# Altium PCB 28Pins_PCB_V1I1.PcbDoc (continued)
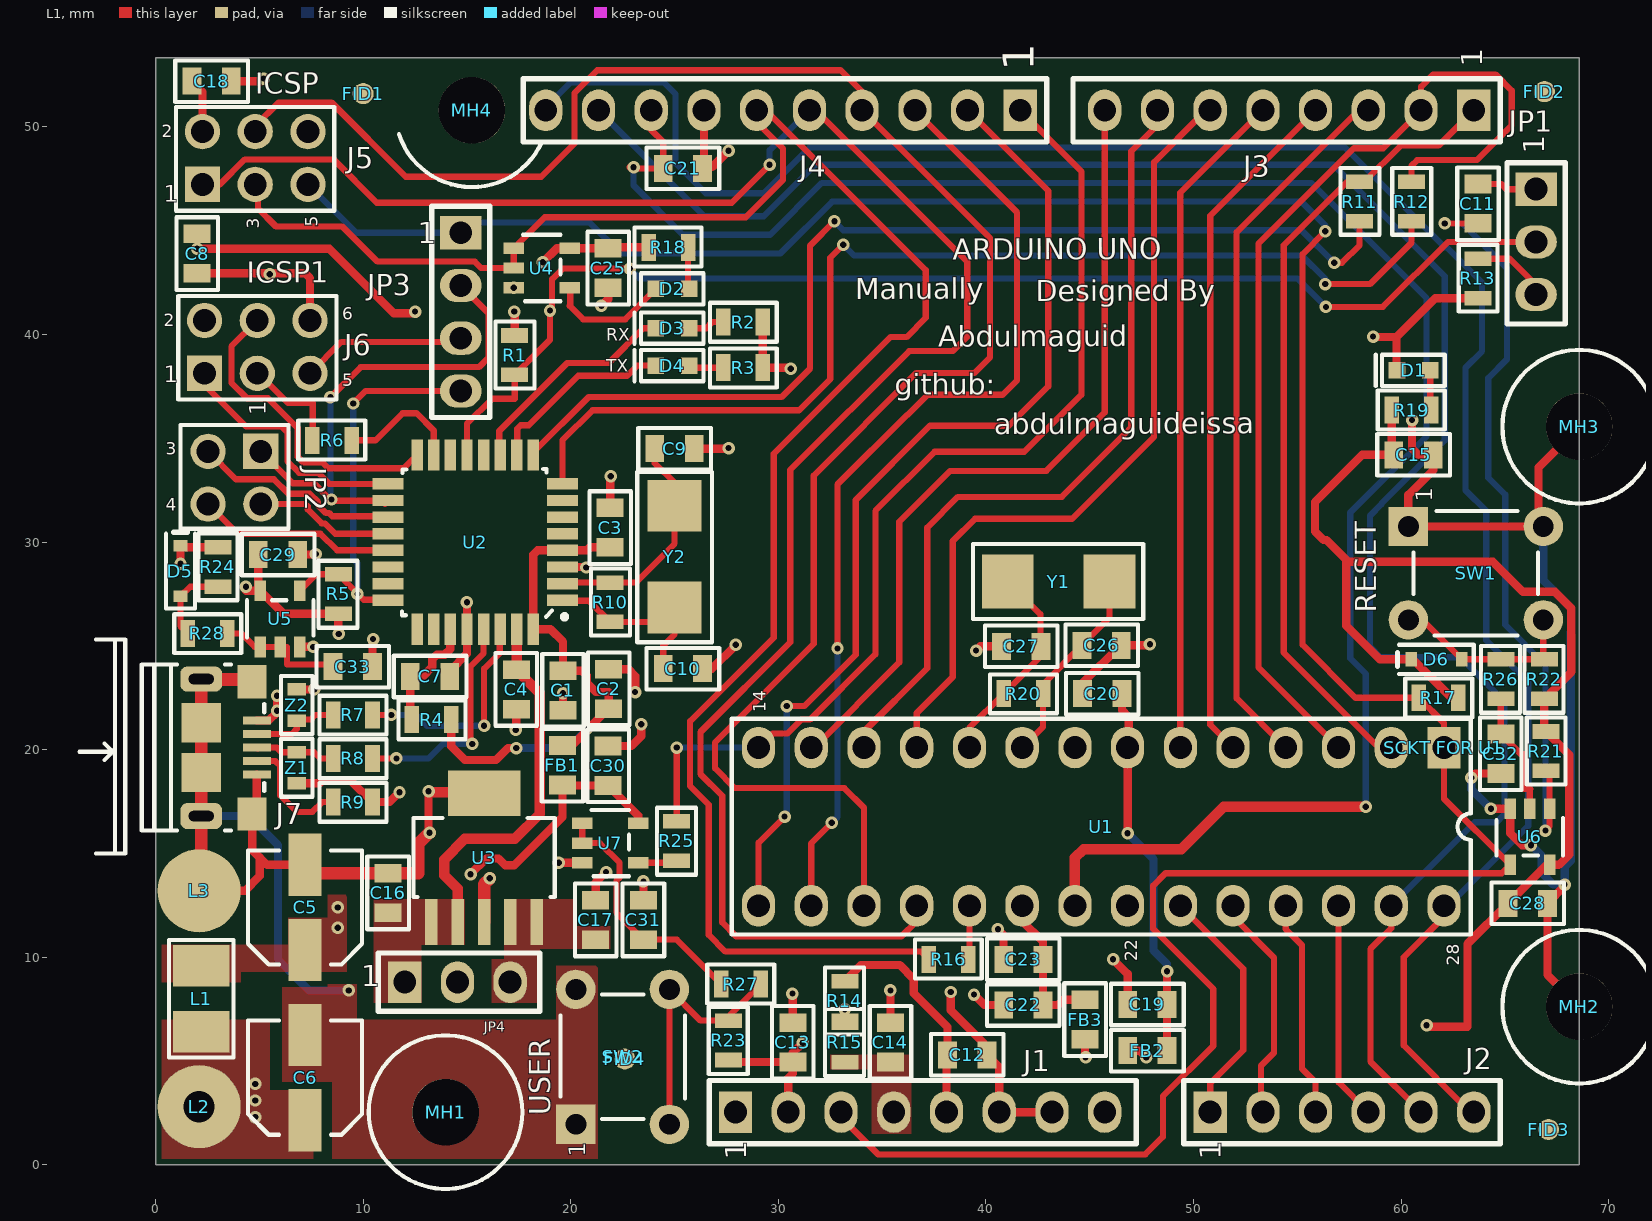
[diagram p0: L1 view]
## Nets (pads, with @x,y where several pads share a name; then routed paths per layer and width w, separated by ;. In a path a pad name is that pad's centre, name@x,y a point inside that pad or via, vN(x,y) a via of type N, cw(c..) or ccw(c..) an arc to the next point about the centre after c; other vN are vias at no path point) (continued)
16U2_SCLK: J6.3 R6.2 | length 5.1
  L1 w0.3: J6.3 4.945,38.13 6.375,36.7 7.575,36.7 7.575,34.925 R6.2
16U2_SCLK_R: R6.1 U2.15 | length 6
  L1 w0.3: R6.1 10.6,34.9 11.9,36.2 12.575,36.2 13.4,35.375 U2.15
16U2_TXD: R11.1 U2.9 | length 50.3
  L1 w0.3: U2.9 18.2,34.325 20.862,36.988 30.157,36.988 31.525,38.356 31.525,44.275 v1(32.7,45.45) ; v1(56.775,43.45) 57.15,43.45 58,44.3 R11.1
  L2 w0.3: v1(32.7,45.45) 33.125,45.025 55.2,45.025 v1(56.775,43.45)
16U2_TXD_LED: D3.1 U2.11 | length 10.8
  L1 w0.3: U2.11 16.55,34.25 16.55,35.35 19.825,38.625 21.825,38.625 23.5,40.3 D3.1
16U2PROG_328P_RESETN: JP1.2 R1.1 U2.13 | length 60.5
  L1 w0.3: U2.13 15,35.7 16.207,36.907 17.3,36.907 R1.1 19,39.75 v1(19,41.15) 19.1,41.25 19.1,42.67 19.605,43.175 v1(22.85,43.175) ; v1(56.375,41.325) 59.125,41.325 62.26,44.46 JP1.2
  L2 w0.3: v1(22.85,43.175) 23.325,42.7 55,42.7 v1(56.375,41.325)
328P_16MHZ_XTAL1: C26.2 R20.2 U1.9 Y1.2 | length 9.7
  L1 w0.3: U1.9 42.75,21.105 R20.2 42.75,23.15 C26.2 45.95,26.35 Y1.2
328P_16MHZ_XTAL2: C27.2 R20.1 U1.10 Y1.1 | length 10.4
  L1 w0.3: U1.10 39.205,21.055 R20.1 42.65,24.5 C27.2@42.65,24.7 ; Y1.1 42.625,26.525 42.625,24.725 C27.2@42.65,24.7 ; C27.2 C27.2@42.65,24.7
328P_AUTORESETN: C11.2 R21.1 U6.1 | length 37.1
  L1 w0.3: v1(62.1,45.35) C11.2 ; v1(66.95,16.1) 67.15,16.3 U6.1 67.15,18.8 R21.1
  L2 w0.3: v1(62.1,45.35) 62.95,45.35 65.1,43.2 65.1,38.8 64.2,37.9 64.2,33.1 65.012,32.287 65.012,26.013 66.95,24.075 v1(66.95,16.1)
328P_BUF_RESETN: C32.2 R26.2 U6.2 | length 6.2
  L1 w0.3: R26.2 C32.2 65.775,19.775 65.925,19.775 65.925,18.1 66.225,18.1 66.2,18.075 U6.2
328P_RESETN: J1.3 J5.5 JP3.1 R17.1 U1.1 U6.4 | length 138.3
  L1 w0.3: J1.3 33.02,2.28 34.8,0.5 47.675,0.5 48.525,1.35 48.525,3.3 50.95,5.725 50.95,8.475 48.05,11.375 48.05,13.45 48.65,14.05 64.85,14.05 U6.4 62.065,17.635 U1.1 62.065,21.285 R17.1 57.8,22.5 55.25,25.05 55.25,43.875 v1(56.35,44.975)
  L2 w0.3: J5.5 9.67,44.9 JP3.1 15.2,45.4 20.9,45.4 22.4,43.9 30.1,43.9 32.6,46.4 55.2,46.4 56.35,45.25 v1(56.35,44.975)
+3.3V: C14.2 C17.2 J1.4 JP4.3 R15.2 U3.4 U3.5
+3.3V_16U2_UCAP: C7.2 R4.1 U2.27 | length 5.7
  L1 w0.4: R4.1 12.275,21.525 C7.2 12.875,23.525 13.325,23.975 13.325,24.341 13.559,24.575 13.925,24.575 14.2,24.85 U2.27
+5V: C4.2 C6.1 C12.1 C16.2 J1.5 JP4.1 L1.2 L2.1 R14.1 U2.31 U3.1 U3.2 | length 29.3
  L1 w0.4: R14.1 33.975,9.625 35.85,9.625 36.52,8.955 36.52,8.27 38.15,6.64 C12.1 38.1,5.25 J1.5
  L1 w0.5: U3.2@14.555,11.6 U3.2 14.555,13.3 13.9,13.955 13.9,14.7 14.9,15.7 17.3,15.7 18.5,16.9 18.5,22.725 C4.2 17.4,23.875 U2.31
  other v1: 4.8,2.3 4.8,3.1 4.8,3.9
+5V/3.3_328P_AVCC: C22.2 C23.2 FB3.2 U1.20 | length 7.3
  L1 w0.4: U1.20 41.745,11.755 42.75,10.75 C23.2 C22.2 43.475,7.7 43.725,7.95 FB3.2
+5V/3.3_328P_VCC: C19.2 C20.2 FB2.2 U1.7 | length 18.1
  L1 w0.4: C20.2 46.55,21.9 46.875,21.575 46.875,20.15 U1.7 v1(46.825,15.975) ; FB2.2 C19.2 v1(48.725,9.325)
  L2 w0.4: v1(46.825,15.975) 48.075,14.725 48.075,10.325 48.725,9.675 v1(48.725,9.325)
+5V/3.3V: C8.2 C13.2 C15.2 C18.2 C25.2 C28.2 C29.2 C30.2 D5.1 D6.1 FB1.1 FB2.1 FB3.1 J1.2 J5.2 J6.2 JP4.2 R1.2 R2.2 R3.2 R5.2 R14.2 R15.1 R17.2 R18.2 R19.2 R21.2 R22.2 R23.2 R24.2 U4.5 U5.5 U6.5 U7.5 | length 114.4
  L1 w0.4: v1(1.2,28.95) D5.1 1.269,29.75 R24.2 ; C18.2 2.26,51.69 J5.2 ; v1(2,44.125) 8.375,44.125 11.48,41.02 12.58,41.02 v1(12.5,41.1) ; v1(4.35,27.85) 4.35,27.675 4.375,27.65 U5.5 ; C29.2 4.95,27.75 U5.5 ; v1(8.825,25.575) 8.8,25.6 R5.2 6.15,26.55 U5.5 ; v1(15.175,14) 15.935,14.76 16.515,14.76 16.85,14.425 17.275,14.425 19.6,16.75 FB1.1 19.625,18.275 C30.2 23.25,16.825 U7.5 ; v1(17.275,41.1) 17.3,41.075 R1.2 ; v1(18.65,43.475) 19.325,44.15 U4.5 C25.2 21.85,44.2 R18.2 ; R23.2 27.7,4.95 C13.2 ; R2.2 R3.2 30.55,38.4 v1(30.6,38.35) ; J1.2 30.48,4.18 30.7,4.4 C13.2 ; v1(31.175,5.875) 30.7,5.4 C13.2 ; R14.2 v1(33.2,7.5) ; v1@44.775,5.175 FB3.1 ; v1@44.788,5.188 v1(44.8,5.175) ; FB2.1 47.4,5.5 v1(47.725,5.175) ; R19.2 59.55,34.3 C15.2 58.125,34.2 55.85,31.925 55.85,30.51 56.26,30.1 56.401,30.1 57.35,29.151 57.35,29.075 ; v1(61.225,6.725) 61.3,6.65 63.2,6.65 63.2,10.65 C28.2 67,14.45 U6.5 67.6,14.45 68.1,14.95 68.1,19.75 R21.2 66.9,20.95 R22.2 68.2,23.75 68.2,26.809 67.409,27.6 65.875,27.6 64.425,29.05 57.375,29.05 57.35,29.075 ; R17.2 62.416,22.5 60.566,24.35 D6.1 58.975,24.35 57.35,25.975 57.35,29.075
+5V/3.3V_16U2: C1.2 C2.2 C3.2 FB1.2 R4.2 U2.4 U2.32 | length 25.8
  L1 w0.4: R4.2 14.25,20.15 14.9,19.5 16.4,19.5 16.975,20.075 v1(17.375,20.075) ; FB1.2 20.05,20.2 C2.2 21.825,22.775 21.209,22.775 20.775,23.209 20.775,23.575 20.55,23.8 C1.2 19.625,25.2 19.025,25.8 U2.32 18.2,29.4 18.4,29.6 U2.4 20.775,29.6 20.925,29.75 C3.2
  L2 w0.4: v1(17.375,20.075) 19.875,20.075 20.775,20.975 v1(20.775,21)
+5V_USB: C5.1 J7.1 L1.1 | length 1.9
  L1 w0.4: J7.1 5.45,21.4 5.85,21.8 v1(5.85,21.875) v1(5.85,22.6)
  other v1: 8.775,11.425 8.775,12.4
AD0: J2.1 U1.23 | length 11.9
  L1 w0.3: U1.23 52.4,9.445 52.4,5.525 50.8,3.925 J2.1
AD1: J2.2 U1.24 | length 11.1
  L1 w0.3: U1.24 51.905,11.945 53.875,9.975 53.875,5.4 53.25,4.775 53.25,2.63 J2.2
AD2: J2.3 U1.25 | length 10.5
  L1 w0.3: U1.25 54.445,11.355 55.225,10.575 55.225,4.625 55.88,3.97 J2.3
AD3: J2.4 U1.26 | length 10.5
  L1 w0.3: U1.26 56.985,3.975 J2.4
AD4/SDA: J2.5 J4.9 U1.27 | length 97.1
  L1 w0.3: U1.27 59.525,11.4 58.525,10.4 58.525,4.975 J2.5
  L2 w0.3: J4.9 26.436,45.7 29.3,45.7 31.775,48.175 56.725,48.175 62.1,42.8 62.1,34.895 59.05,31.845 59.05,31.825 58.5,31.275 58.5,24.95 59,24.45 62.85,24.45 64.975,22.325 64.975,16.881 64.594,16.5 63.545,16.5 U1.27
AD5/SCL: J2.6 J4.10 U1.28 | length 99.2
  L1 w0.3: U1.28 62.065,11.94 60.125,10 60.125,5.75 63.335,2.54 J2.6
  L2 w0.3: J4.10 18.796,50.946 20,52.15 24.475,52.15 25.05,51.575 25.05,48.25 26.5,46.8 29.293,46.8 31.168,48.675 31.179,48.675 31.504,49 57.3,49 62.1,44.2 62.2,44.2 63.9,42.5 63.9,39.2 63.1,38.4 63.1,32.5 64.1,31.5 64.1,25.275 66.125,23.25 66.125,16.325 62.28,12.48 U1.28
AREF: C21.2 J4.8 U1.21 | length 92
  L1 w0.3: v1(23.025,48.05) 22.825,48.05 22.875,48 C21.2 24.45,49.275 23.876,49.849 J4.8
  L1 w0.5: U1.21 44.285,14.785 44.7,15.2 49.4,15.2 51.45,17.25 v1(58.3,17.25)
  L2 w0.3: v1(23.025,48.05) 23.025,47.175 25.4,44.8 29.6,44.8 32.1,47.3 55.675,47.3 61.225,41.75 61.225,35.1 57.55,31.425 57.55,24.4 58.3,23.65 v1(58.3,17.25)
BUTTON_RESETN: D6.2 R22.1 R26.1 SW1.3 SW1.4 | length 9.2
  L1 w0.3: SW1.3 61.019,26.25 D6.2 R26.1 66.8,24.35 66.85,24.4 SW1.4
CON_USB_N: J7.2 R7.1 Z2.2 | length 4.3
  L1 w0.3: J7.2 6.55,20.75 6.8,21 Z2.2 6.85,21.45 7.475,21.45 7.7,21.675 R7.1
CON_USB_P: J7.3 R8.1 Z1.2 | length 4
  L1 w0.3: J7.3@4.924,20.05 J7.3 5.832,20.1 6.057,19.875 Z1.2 7.625,19.875 7.925,19.575 R8.1
GND: C1.1 C2.1 C3.1 C4.1 C5.2 C6.2 C7.1 C8.1 C9.1 C10.1 C12.2 C13.1 C14.1 C15.1 C16.1 C17.1 C18.1 C19.1 C20.1 C21.1 C22.1 C23.1 C25.1 C26.1 C27.1 C28.1 C29.1 C30.1 C31.1 C32.1 C33.1 D1.1 J1.6 J1.7 J4.7 J5.6 J6.6 J7.5 J7.6 J7.7 J7.8 J7.9 J7.10 J7.11 L3.1 MH1.1 MH2.1 MH3.1 R9.2 R13.1 SW1.1 SW1.2 SW2.1 SW2.2 U1.8 U1.22 U2.3 U2.28 U3.3 U3.6 U4.3 U5.3 U6.3 U7.3 Z1.1 Z2.1 | length 187.5
  L1 w0.4: C8.1 7.2,42.95 7.44,42.71 J6.6 ; L3.1 4.3,13.2 5.012,13.912 5.012,14.813 ; J7.8@2.2,23.15 2.325,23.275 J7.6 ; C18.1 5.075,52.2 v1(5.2,52.325) ; J7.5 4.875,17.125 J7.7 4.65,15.175 5.012,14.813 ; Z1.1 7.884,18.375 8.034,18.525 9.4,18.525 R9.2 11.275,17.475 v1(11.75,17.95) ; Z2.1 v1(7.65,22.9) ; C29.1 7.7,29.4 v1(7.725,29.425) ; U5.3 v1(7.6,24.95) ; C5.2 5.375,14.45 5.012,14.813 ; C33.1 10.45,25.3 v1(10.475,25.325) ; v1(13.2,16) 13.15,16.05 v1(13.15,18) ; C7.1 14.175,23.8 15,24.625 U2.28 v1(15,27.1) ; v1(17.35,20.95) 17.375,20.975 C4.1 ; v1(19.425,14.55) U7.3 ; U2.3 20.725,28.8 v1(20.75,28.775) ; C1.1 v1(19.625,22.725) ; C17.1 21.2,13.6 v1(21.7,14.1) ; v1(21.475,41.375) 21.8,41.7 C25.1 ; C30.1 22.925,20.175 23.4,20.65 v1(23.4,21.225) ; C2.1 22.775,23.875 23.1,23.55 v1(23.1,22.775) ; C3.1 21.9,33.15 v1(21.925,33.175) ; C31.1 v1(23.5,13.65) ; C9.1 27.575,34.5 v1(27.6,34.525) ; C10.1 26.8,23.9 v1(27.95,25.05) ; J4.7 26.416,48.066 26.816,48.066 v1(27.6,48.85) ; v1(30.675,8.25) 30.7,8.225 C13.1 ; C14.1 v1(35.4,8.4) ; v1(38.3,8.325) 38.3,7.45 40.05,5.7 C12.2 40.64,4.71 J1.6 J1.7 ; v1(39.425,8.2) 39.925,7.7 C22.1 ; v1(39.525,24.775) 39.725,24.975 C27.1 ; v1(40.575,11.35) 40.85,11.075 C23.1 ; C20.1 44.65,23.2 46.475,25.025 C26.1 47.85,25.025 v1(47.9,25.075) ; v1(46.125,9.9) 46.825,9.2 C19.1 ; v1(58.65,39.9) 58.675,39.875 59.775,39.875 ; D1.1 59.775,38.3 59.775,39.875 ; v1(60.525,35.875) 60.525,34.5 60.825,34.2 C15.1 61.55,33.475 60.35,32.275 SW1.1 SW1.2 66.85,30.975 66.62,31.205 66.62,33.6 MH3.1 ; v1(63.375,18.65) 63.575,18.85 C32.1 ; R13.1 61.65,41.75 59.775,39.875 ; v1(64.325,17.15) 64.275,17.15 U6.3 65.25,15.975 65.825,15.4 v1(66.25,15.4) ; v1(67.875,13.5) 67.875,13.425 C28.1 67.05,9.15 MH2.1 ; v1(13.15,18) 13.25,17.9 U3.6 15.725,18 v1(13.15,18)
  L1 w0.6: L3.1 2.2,13.299 J7.9 J7.11 J7.10 2.2,23.15 J7.8 4.524,23.4 J7.6 ; C5.2 7.6,14.05 C16.1 12.65,14.05 12.65,15.45 v1(13.2,16) ; U3.3 15.825,13.525 v1(16.1,13.8)
  L2 w0.4: J7.9 4.5,16.8 5.9,15.4 5.9,9.9 7.4,8.4 v1(9.3,8.4) ; SW2.1@19.675,2.525 SW2.1 ; v1(63.375,18.65) 63.375,18.1 v1(64.325,17.15) ; v1(66.25,15.4) 66.775,14.875 66.775,14.05 67.325,13.5 v1(67.875,13.5) 67.875,14.35 68.175,14.65 68.175,25.641 68.2,25.666 68.2,26.809 66.85,28.159 SW1.2 ; MH2.1@67.875,8.325 MH2.1
  other v1: 17.25,42.25 5.5,42.9
IO0: J3.1 R11.2 U1.2 | length 38.5
  L1 w0.3: U1.2 58.925,20.1 54.35,24.675 54.35,44.3 57.4,47.35 R11.2 58.225,47.35 59.975,49.1 61.8,49.1 J3.1
IO1: J3.2 R12.2 U1.3 | length 50.5
  L1 w0.3: U1.3 53.125,23.96 53.125,44.375 57.725,48.975 59.135,48.975 J3.2 60.96,51.935 61.55,52.525 64.55,52.525 65.325,51.75 65.325,50.075 63.65,48.4 60.775,48.4 60.5,48.125 R12.2
IO2: J3.3 U1.4 | length 34.6
  L1 w0.3: U1.4 52.075,22.47 52.075,44.925 57.95,50.8 J3.3
IO3: J3.4 U1.5 | length 33.3
  L1 w0.3: U1.5 50.8,21.205 50.8,45.72 J3.4
IO4: J3.5 U1.6 | length 32.3
  L1 w0.3: U1.6 49.365,46.825 J3.5
IO5: J3.6 U1.11 | length 39.6
  L1 w0.3: U1.11 36.665,21.765 38.4,23.5 38.4,30.05 39.475,31.125 44.15,31.125 48.1,35.075 48.1,48.3 50.3,50.5 50.8,50.5 J3.6
IO6: J3.7 U1.12 | length 39.5
  L1 w0.3: U1.12 34.125,20.875 37.175,23.925 37.175,30.7 38.65,32.175 43.65,32.175 47,35.525 47,48.825 48.26,50.085 J3.7
IO7: J3.8 U1.13 | length 39.3
  L1 w0.3: U1.13 31.725,20.1 35.825,24.2 35.825,30.975 38.275,33.425 42.9,33.425 45.72,36.245 J3.8
IO8: J4.1 R25.1 U1.14 | length 49.1
  L1 w0.3: R25.1 v1(25.1,20.1) ; U1.14 29.721,20.776 30.435,20.776 31.109,21.45 31.525,21.45 34.675,24.6 34.675,31.5 37.525,34.35 41.85,34.35 44.6,37.1 44.6,47.856 J4.1
  L2 w0.3: v1(25.1,20.1) U1.14
IO9: J4.2 U1.15 | length 48.4
  L1 w0.3: U1.15 29.045,15.52 v1(30.3,16.775) ; v1(30.4,22.1) 31.25,22.1 33.725,24.575 33.725,32.025 37.3,35.6 41.1,35.6 43,37.5 43,46.916 J4.2
  L2 w0.3: v1(30.3,16.775) 30.4,16.875 v1(30.4,22.1)
MISO: J4.5 J5.1 U1.18 | length 93
  L1 w0.3: J5.1 3.103,47.23 4.303,48.43 8.57,48.43 10.65,46.35 27.75,46.35 v1(29.575,48.175) ; J4.5 31.8,50.8 39.1,43.5 39.1,39.9 38.4,39.2 36.3,39.2 30.575,33.475 30.575,25.175 26.25,20.85 26.25,18.825 27.3,17.775 27.3,11.675 27.975,11 35.925,11 36.665,11.74 U1.18
  L2 w0.3: v1(29.575,48.175) 29.575,48.879 J4.5
MOSI: J4.4 J5.4 U1.17 | length 90.4
  L1 w0.3: J5.4 4.8,50.05 5.925,51.175 8.475,51.175 12.05,47.6 18.575,47.6 20.186,49.211 20.186,51.636 21.275,52.725 33,52.725 34.036,51.689 J4.4 40.2,44.636 40.2,38.9 39.45,38.15 36.65,38.15 31.7,33.2 31.7,25.1 26.95,20.35 26.95,19.1 27.9,18.15 33.175,18.15 34.125,17.2 U1.17
NetC11_1: C11.1 JP1.1 | length 2.9
  L1 w0.3: C11.1 64.825,47.25 65.075,47 JP1.1
NetD1_2: D1.2 R19.1 | length 1.9
  L1 w0.3: D1.2 61.4,36.4 R19.1
NetD2_1: D2.1 U4.4 | length 5.9
  L1 w0.3: U4.4 19.975,42.225 19.975,41.418 19.95,41.393 19.95,41.375 20.6,40.725 22.625,40.725 D2.1
NetD2_2: D2.2 R18.1 | length 2
  L1 w0.3: R18.1 25.65,42.25 D2.2
NetD3_2: D3.2 R2.1 | length 1.8
  L1 w0.3: D3.2 26.525,40.3 26.825,40.6 R2.1
NetD4_2: D4.2 R3.1 | length 1.7
  L1 w0.3: D4.2 25.8,38.4 R3.1
NetD5_2: D5.2 R24.1 R28.1 | length 3.9
  L1 w0.3: R28.1 1.2,25.95 D5.2 1.669,27.85 R24.1
NetD6_2: 
NetJ7_4: J7.4 R9.1 | length 5.7
  L1 w0.3: J7.4 5.775,19.45 6,19.225 6,17.8 6.8,17 7.55,17 8.025,17.475 R9.1
NetJP1_3: JP1.3 R13.2 | length 3.8
  L1 w0.3: R13.2 65.225,43.65 66.5,42.375 JP1.3
NetR25_2: R25.2 U7.4 | length 1.9
  L1 w0.3: U7.4 25,14.55 R25.2
SCK: J4.6 J5.3 R16.2 U4.1 U4.2 | length 93.9
  L1 w0.3: J5.3 4.93,47.1 4.93,46.07 5.8,45.2 9,45.2 10.69,43.51 15.376,43.51 15.686,43.2 U4.2 U4.1 18.75,45.65 28.425,45.65 30.225,47.45 30.225,48.95 28.956,50.219 J4.6 29.4,50.8 37.1,43.1 37.1,40.8 36.175,39.875 35.4,39.875 29.775,34.25 29.775,25.389 25.75,21.364 25.75,18.243 26.65,17.343 26.65,11.075 27.45,10.275 36.875,10.275 R16.2
SCK_R: R16.1 U1.19 | length 2.6
  L1 w0.3: R16.1 39.205,9.955 U1.19
SS: J4.3 U1.16 | length 46.6
  L1 w0.3: U1.16 31.585,15.485 v1(32.575,16.475) ; v1(32.85,24.875) 32.85,32.775 36.2,36.125 36.225,36.125 37.2,37.1 40.8,37.1 41.5,37.8 41.5,45.876 J4.3
  L2 w0.3: v1(32.575,16.475) 32.85,16.75 v1(32.85,24.875)
USB_N: R7.2 U2.30 | length 10.6
  L1 w0.3: R7.2 v1(11.35,21.675) ; v1(15.825,21.15) 15.825,23.9 16.575,24.65 16.575,25.775 U2.30
  L2 w0.3: v1(11.35,21.675) 12.55,21.675 13.075,21.15 v1(15.825,21.15)
USB_P: R8.2 U2.29 | length 10.9
  L1 w0.3: R8.2 v1(11.6,19.575) ; v1(15.25,20.275) 15.175,20.35 15.175,24.022 15.8,24.647 U2.29
  L2 w0.3: v1(11.6,19.575) 13.15,19.575 13.85,20.275 v1(15.25,20.275)
USER_BUTTON: R23.1 R27.1 SW2.3 SW2.4 | length 12.4
  L1 w0.3: SW2.3 SW2.4 26.25,6.95 R23.1 27.6,7.15 R27.1
USER_BUTTON_BUF: C31.2 R27.2 U7.1 U7.2 | length 12.1
  L1 w0.3: U7.1 U7.2 21.4,15.5 22.35,14.55 22.35,13.831 22.2,13.681 22.2,12.15 C31.2 25.1,10.85 R27.2
pads on no net: FID1.1 FID2.1 FID3.1 FID4.1 J1.1 J1.8 MH4.1 U2.5 U2.6 U2.7 U2.12 U2.14 U2.22 U2.23 U2.25 U2.26

## Polygon pours and split planes (outlines as drawn)
+5V on L2 "L2-No Net" (solid, remove dead copper, pour order 0): 0.3,0.3 0.3,4.7 8.7,4.7 8.8,4.8 11.2,7.2 11.2,9.8 12.8,9.8 12.8,8.8 12.8,7.5 19.2,7.5 20.6,6.1 23.5,3.4 24.7,3.4 26.5,3.4 26.5,0.9 28.3,0.9 31.5,0.9 37.1,0.9 37.1,3.8 39.2,3.8 39.2,0.3
+3.3V on L2 "L2-No Net" (solid, remove dead copper, pour order 4): 16,10 16,8 18.9,8 19,7.9 19.4,7.9 23.5,4 34.4,4 34.4,1.2 36.7,1.2 36.7,3.8 36.7,5.3 30.2,5.3 25.2,10.3 23.5,12 20.6,12 17.3,12 17.1,11.8 16,10.7 16,9.9
+5V/3.3V on L2 "L2-No Net" (solid, remove dead copper, pour order 10): 0.3,5.1 8.5,5.1 10.7,7.3 10.7,9.9 10.7,10.1 13.1,10.1 13.1,7.9 13,7.8 15.7,7.8 15.7,10.8 17.2,12.3 23.8,12.3 26.1,10 30.5,5.6 37.3,5.6 37.3,4.1 48.2,4.1 64,4.1 64,7.8 63,7.8 62,7.8 32.6,7.8 30.4,7.8 28.5,9.7 25,13.2 15.5,13.2 15.5,14.9 11.3,14.9 11.3,12.1 9.8,10.6 7.5,10.6 7.5,16.4 4.3,20.233 4.3,53 0.3,53
+5V_USB on L2 "L2-No Net" (solid, remove dead copper, pour order 12): 5.5,23.1 6.3,23.1 6.9,23.1 6.9,22.5 6.9,21.6 9.4,19.1 9.4,14.9 11,14.9 11,12.1 9.9,11 7.813,11 7.813,16.591 4.927,19.873 4.6,20.2 4.6,23.1
+5V/3.3V on L2 "L2-No Net" (solid, remove dead copper, pour order 14): 12,41.5 18.1,41.5 18.1,43.9 20.1,43.9 20.1,41.5 21.3,40.3 29.4,40.3 30.3,40.3 31.1,39.5 31.1,37.4 18.9,37.4 17.8,38.5 12,38.5
GND on L2 "L2-No Net" (solid, remove dead copper, pour order 16): 26.9,48.2 28.9,48.2 28.9,53 4.6,53 4.6,23.4 7.2,23.4 7.2,21.6 9.7,19.1 9.7,15.2 15.9,15.2 15.9,13.5 24.9,13.5 30.4,8 30.5,8.1 47.5,8.1 47.5,14.3 45.6,16.2 45.6,22 56.9,22 56.9,23.6 56.9,31.5 60.3,34.9 60.7,35.3 60.7,40.2 60.7,41.4 59.5,41.4 23.8,41.4 20.6,44.6 8.3,44.6 6.5,46.4 6.5,48.3 17.6,48.3 17.7,48.4 17.7,52.5 25.7,52.5 25.7,49.9 25.7,49.7 25.7,48.2 27.2,48.2
+5V on L1 "L2-No Net" (solid, remove dead copper, pour order 18): 0.3,7 0.3,0.3 7.6,0.3 7.6,3.6 5.5,3.6 5.5,6.7 5.5,7 5.2,7
+5V_USB on L1 "L2-No Net" (solid, remove dead copper, pour order 20): 0.3,8.8 0.3,10.6 6.4,10.6 6.4,11.9 8.3,11.9 8.3,13 9.3,13 9.2,12.9 9.2,9.3 4.1,9.3 4.1,8.8
+5V on L1 "L2-No Net" (solid, remove dead copper, pour order 22): 12.8,7.8 12.8,10.6 14.9,10.6 14.9,12.8 10.5,12.8 10.5,7.8
+3.3V on L1 "L2-No Net" (solid, remove dead copper, pour order 24): 21.9,10.4 21.9,11.5 20.2,11.5 20.2,12.8 16.8,12.8 16.8,10.6 16.8,9.9 16.2,9.9 16.2,7.8 17.9,7.8 18.5,7.8 18.5,10.4
+3.3V on L1 "L2-No Net" (solid, remove dead copper, pour order 26): 34.8,1.5 36.4,1.5 36.4,5.3 32.5,5.3 32.5,4.6 34.5,4.6 34.5,1.5
GND on L1 "L2-No Net" (solid, remove dead copper, pour order 30): 21.2,9.6 21.3,9.5 21.3,0.9 21.3,0.3 8.5,0.3 8.5,4 6.1,4 6.1,8.7 9.7,8.7 9.7,7 19.3,7 19.3,9.6 21.1,9.6

## Other copper
L2:
  pour cut-out: 11,19.8 13,19.8 13.8,20.6 13.6,20.8 12.776,20.8 12.276,21.3 11,21.3
  pour cut-out: 30.973,18.983 32.38,18.983 32.391,18.972 32.391,17.05 30.906,17.05 30.865,17.009 30.859,17.015 30.859,18.927 31.018,18.927 31.03,18.939

## Silkscreen, mask and mechanical layers (free items; w line width, h text height)
Top Overlay:
  text "ICSP" at 4.8,51.6 h1 r0.2
  text "2" at 0.3,49.5 h0.6 r0.2
  text "5" at 7.8,45.2 h0.6 r90.2
  text "3" at 5,45.1 h0.6 r90.2
  text "ARDUINO UNO" at 38.4,43.6 h1 r0.2
  text "ICSP1" at 4.4,42.5 h1 r0.2
  text "Manually" at 33.7,41.7 h1 r0.2
  text "Designed By" at 42.4,41.6 h1 r0.2
  text "6" at 9,40.7 h0.6 r0.2
  text "2" at 0.4,40.4 h0.6 r0.2
  text "RX" at 21.7,39.7 h0.6 r0.2
  text "Abdulmaguid" at 37.7,39.4 h1 r0.2
  text "TX" at 21.7,38.2 h0.6 r0.2
  text "5" at 9,37.5 h0.6 r0.2
  text "github:" at 35.6,37.1 h1 r0.2
  text "abdulmaguideissa" at 40.4,35.2 h1 r0.2
  text "3" at 0.5,34.2 h0.6 r0.2
  text "4" at 0.5,31.5 h0.6 r0.2
  text "RESET" at 58.8,26.6 h1 r90.2
  text "14" at 29.4,21.8 h0.6 r90.2
  text "22" at 47.3,9.8 h0.6 r90.2
  text "28" at 62.8,9.6 h0.6 r90.2
  text "USER" at 19,2.4 h1 r90.2
Bottom Overlay:
  text "IO9" at 39.6,49.3 h1 r90.2
  text "IO8" at 42.1,49.2 h1 r90.2
  text "IO7" at 46.3,49.2 h1 r90.2
  text "IO6" at 48.7,49.2 h1 r90.2
  text "IO5" at 51.3,49.2 h1 r90.2
  text "IO4" at 53.9,49.2 h1 r90.2
  text "SS" at 37,49.1 h1 r90.2
  text "IO3" at 56.4,49.1 h1 r90.2
  text "MOSI" at 34.5,49 h1 r90.2
  text "IO2" at 59,49 h1 r90.2
  text "SCK" at 29.4,48.9 h1 r90.2
  text "MISO" at 31.9,48.9 h1 r90.2
  text "IO1" at 61.6,48.9 h1 r90.2
  text "IO0" at 64,48.9 h1 r90.2
  text "AD5/SCL" at 19.1,48.8 h1 r90.2
  text "AD4/SDA" at 21.7,48.8 h1 r90.2
  text "AREF" at 24.3,48.8 h1 r90.2
  text "GND" at 26.9,48.8 h1 r90.2
  text "+5V/3.3V" at 15,17.9 h1 r90.2
  text "+5V INPUT POWER" at 6.4,15.6 h1 r90.2
  text "+3.3V" at 17.7,14.9 h1 r90.2
  text "+5V" at 12.4,13.3 h1 r90.2
  text "GND" at 20.7,13.1 h1 r90.2
  text "AD4/SDA" at 61.3,10.9 h1 r90.2
  text "AD5/SCL" at 63.5,10.9 h1 r90.2
  text "5V/3.3V" at 30.9,10.8 h1 r90.2
  text "RESETN" at 33.6,10.2 h1 r90.2
  text "+3.3V" at 36,9 h1 r90.2
  text "+5V" at 38.6,7.2 h1 r90.2
  text "GND" at 41.2,7.2 h1 r90.2
  text "GND" at 43.5,7.2 h1 r90.2
  text "AD0" at 51.2,7.1 h1 r90.2
  text "AD2" at 56.2,7.1 h1 r90.2
  text "AD3" at 58.8,7.1 h1 r90.2
  text "AD1" at 53.7,6.7 h1 r90.2
Mechanical Drawing:
  circle w1.016: c15.24,50.8 r1.738
  circle w1.016: c13.97,2.54 r1.738
  circle w1.016: c68.58,7.62 r1.738
  circle w1.016: c68.58,35.56 r1.738
  lines w1.016: 0,-0.1 0,53.24 68.58,53.24 68.58,-0.1 0,-0.1
  text "Mechanical Drawing" at 5.3,72.8 h3.5 r0.2
  text "of 28 Pins" at 8,64.7 h3.5 r0.2
  text ".VersionRevision" at 45.5,64.5 h3.5 r0.2
  text "Units: mils" at -31.7,-9.2 h2 r0.2
  text "Scale: 1:1" at -31.5,-13.9 h2 r0.2
Manufacturing Notes:
  lines w0.254: -1.7,-52.9 90.8,-52.9 ; -1.7,-52.825 -1.7,-42.825 ; -1.7,-32.9 90.8,-32.9 ; 38.3,-42.9 38.3,-32.9 ; 73.3,-32.9 73.3,-25.4 ; 90.8,-52.825 90.8,-42.825 ; -1.7,-42.9 -1.7,-25.4 90.8,-25.4 90.8,-42.9 -1.7,-42.9
  text "Files" at -1.2,109.6 h1.52
  text "Board info" at 106.3,109.6 h1.52
  text "*.GTO - Top Overlay" at -1.2,107.1 h1.52
  text "Minimum Track: 200um" at 106.3,107.1 h1.52
  text "*.GTP - Top Paste" at -1.2,104.6 h1.52
  text "Minimum Gap: 200um" at 106.3,104.6 h1.52
  text "*.GTS - Top Solder" at -1.2,102.1 h1.52
  text "Minimum Through Hole VIA: 0.6mm (pad) / 0.3mm (drill). Drilling: L1-L2" at 106.3,102.1 h1.52
  text "*.GTL - L1 (Positive)" at -1.2,99.6 h1.52
  text "*.GBL - L2 (Positive)" at -1.2,97.1 h1.52
  text "1. FINISHED PANEL THICKNESS IS NOT CRITICAL: TO BE APPROXIMATELY 1.6mm" at 106.3,97.1 h1.52
  text "*.GBS - Bottom Solder" at -1.2,94.6 h1.52
  text "*.GBO - Bottom Overlay" at -1.2,92.1 h1.52
  text "2. BOARD FINISH: IMMERSION Au/ELECTROLESS Ni; 0.05-0.12 um GOLD; 3-6um NICKEL" at 106.3,92.1 h1.52
  text "*.GM2 - Mechanical Drawing" at -1.2,89.6 h1.52
  text "*.GM3 - Manufacturing Notes" at -1.2,87.1 h1.52
  text "3. SOLDER RESIST: APPLY TO BOTH SIDES COLOUR - BLUE" at 106.3,87.1 h1.52
  text "*.GM4 - Licence" at -1.2,84.6 h1.52
  text "*.GM28 - Board Outline" at -1.2,82.1 h1.52
  text "4. COMPONENT IDENT: COLOUR TO BE WHITE" at 106.3,82.1 h1.52
  text "5. PANELIZE THE BOARD (4PCS PER PANEL). PLACE FIDUCIALS ON THE PANEL STRIPS AS FOLLOWS:" at 106.3,77.1 h1.52
  text "- FIDUCIAL DIAMTER 1-1.5MM, SOLDER MASK OPENING AT LEAST 1MM GREATER THAN FIDUCIAL" at 111.3,74.6 h1.52
  text "- MINIMUM 4MM DISTANCE FROM THE PANEL EDGE" at 111.3,72.1 h1.52
  text "- 3 FIDUCIALS SHOULD LIE ON TWO LINES THAT INTERSECT AT A RIGHT ANGLE" at 111.3,69.6 h1.52
  text "- PLACE ONE FIDUCIAL INTO EACH PANEL CORNER (FOUR ON THE TOP LAYER)" at 111.3,67.1 h1.52
  text "28 Pins" at 3.8,-30.4 h3
  text ".VersionRevision" at 75.8,-30.4 h3
  text "Copyright 2020" at 3.3,-37.9 h1.52
  text "Designed by Abdulmaguid" at 43.3,-37.9 h1.52
  text "github: abdulmaguideissa" at 43.3,-40.4 h1.52
  text "Contact:" at 3.3,-47.9 h1.52
  text "abdulmaguid.eissa@gmail.com" at 18.3,-47.9 h1.52
License:
  text "LICENCE" at 105.7,57.5 h1.52
  text "AUTHOR: Abdulmaguid 2020" at 105.9,53 h1.52
  text "abdulmaguid.eissa@gmail.com" at 105.9,50.5 h1.52
  text "This is a human-readable summary of the licence. Read full licence at:" at 105.9,45.5 h1.52
  text "https://creativecommons.org/licenses/by-sa/3.0/legalcode" at 105.9,43 h1.52
  text "You are free to:" at 105.9,38 h1.52
  text "Share - copy and redistribute the material in any medium or format" at 105.9,35.5 h1.52
  text "Adapt - remix, transform, and build upon the material" at 105.9,33 h1.52
  text "for any purpose, even commercially." at 105.9,30.5 h1.52
  text "The licensor cannot revoke these freedoms as long as you follow the license terms." at 105.9,25.5 h1.52
  text "Under the following terms:" at 105.9,20.5 h1.52
  text "Attribution - You must give appropriate credit, provide a link to the license, and" at 105.9,18 h1.52
  text "indicate if changes were made. You may do so in any reasonable manner, but not in any" at 105.9,15.5 h1.52
  text "way that suggests the licensor endorses you or your use." at 105.9,13 h1.52
  text "ShareAlike - If you remix, transform, or build upon the material, you must distribute your" at 105.954,8.122 h1.52
  text "contributions under the same license as the original." at 105.954,5.622 h1.52
  text "No additional restrictions - You may not apply legal terms or technological measures" at 105.7,-0.1 h1.52
  text "that legally restrict others from doing anything the license permits." at 105.7,-2.6 h1.52
  text "Notices:" at 105.7,-7.6 h1.52
  text "You do not have to comply with the license for elements of the material in the public domain or where" at 105.7,-10.1 h1.52
  text "your use is permitted by an applicable exception or limitation." at 105.7,-12.6 h1.52
  text "No warranties are given. The license may not give you all of the permissions necessary for your" at 105.7,-17.6 h1.52
  text "intended use. For example, other rights such as publicity, privacy, or moral rights may limit how you" at 105.7,-20.1 h1.52
  text "use the material." at 105.7,-22.6 h1.52
  text "Based on Arduino: http://www.arduino.cc/" at 105.7,-27.6 h1.52
Board Outline:
  the board outline again, w0.3
ASM Top:
  text "Assembly Top 28 Pins" at 20,60 h1.5 r0.2
  text ".VersionRevision" at 51,60 h1.5 r0.2
  text ".VariantName" at 25,57 h1.5 r0.2

## Dimensions
0,-0.1 to 0,53.24 on Mechanical Drawing
0,-0.1 to 68.58,-0.1 on Mechanical Drawing
0,-0.1 to 2.2,16.7 on Mechanical Drawing
0,-0.1 to 2.2,13.2 on Mechanical Drawing
0,-0.1 to 14,2.4 on Mechanical Drawing
0,-0.1 to 5,34.4 on Mechanical Drawing
0,-0.1 to 2.4,47.2 on Mechanical Drawing
0,-0.1 to 24.9,1.9 on Mechanical Drawing
0,-0.1 to 27.8,2.6 on Mechanical Drawing
0,-0.1 to 50.8,2.6 on Mechanical Drawing
0,-0.1 to 62.1,20.1 on Mechanical Drawing
0,-0.1 to 63.6,50.7 on Mechanical Drawing
0,-0.1 to 41.8,50.8 on Mechanical Drawing
0,-0.1 to 16.978,50.8 on Mechanical Drawing

## Text inside footprints (layer, text, board x,y; h text height)
J1: Top Overlay "1" at 28.448,0.254 h1.02 r90
J2: Top Overlay "1" at 51.308,0.254 h1.02 r90
J3: Top Overlay "1" at 63.9,52.9 h1.02 r90
J4: Top Overlay "1" at 42.3,52.7 h1.5 r90
J5: Top Overlay "1" at 0.4,46.4 h0.8
J6: Top Overlay "1" at 0.4,37.7 h0.8
JP1: Top Overlay "1" at 66.9,48.7 h1.02 r90
JP2: Top Overlay "1" at 5.3,36.1 h0.8 r90
JP3: Top Overlay "1" at 12.625,44.4 h1.02
JP4: Top Overlay "1" at 9.9,8.6 h1.02
SW1: Top Overlay "1" at 61.5,31.95 h0.8 r90
SW2: Top Overlay "1" at 20.7,0.4 h0.8 r90